# KiCad board board.kicad_pcb (continued)
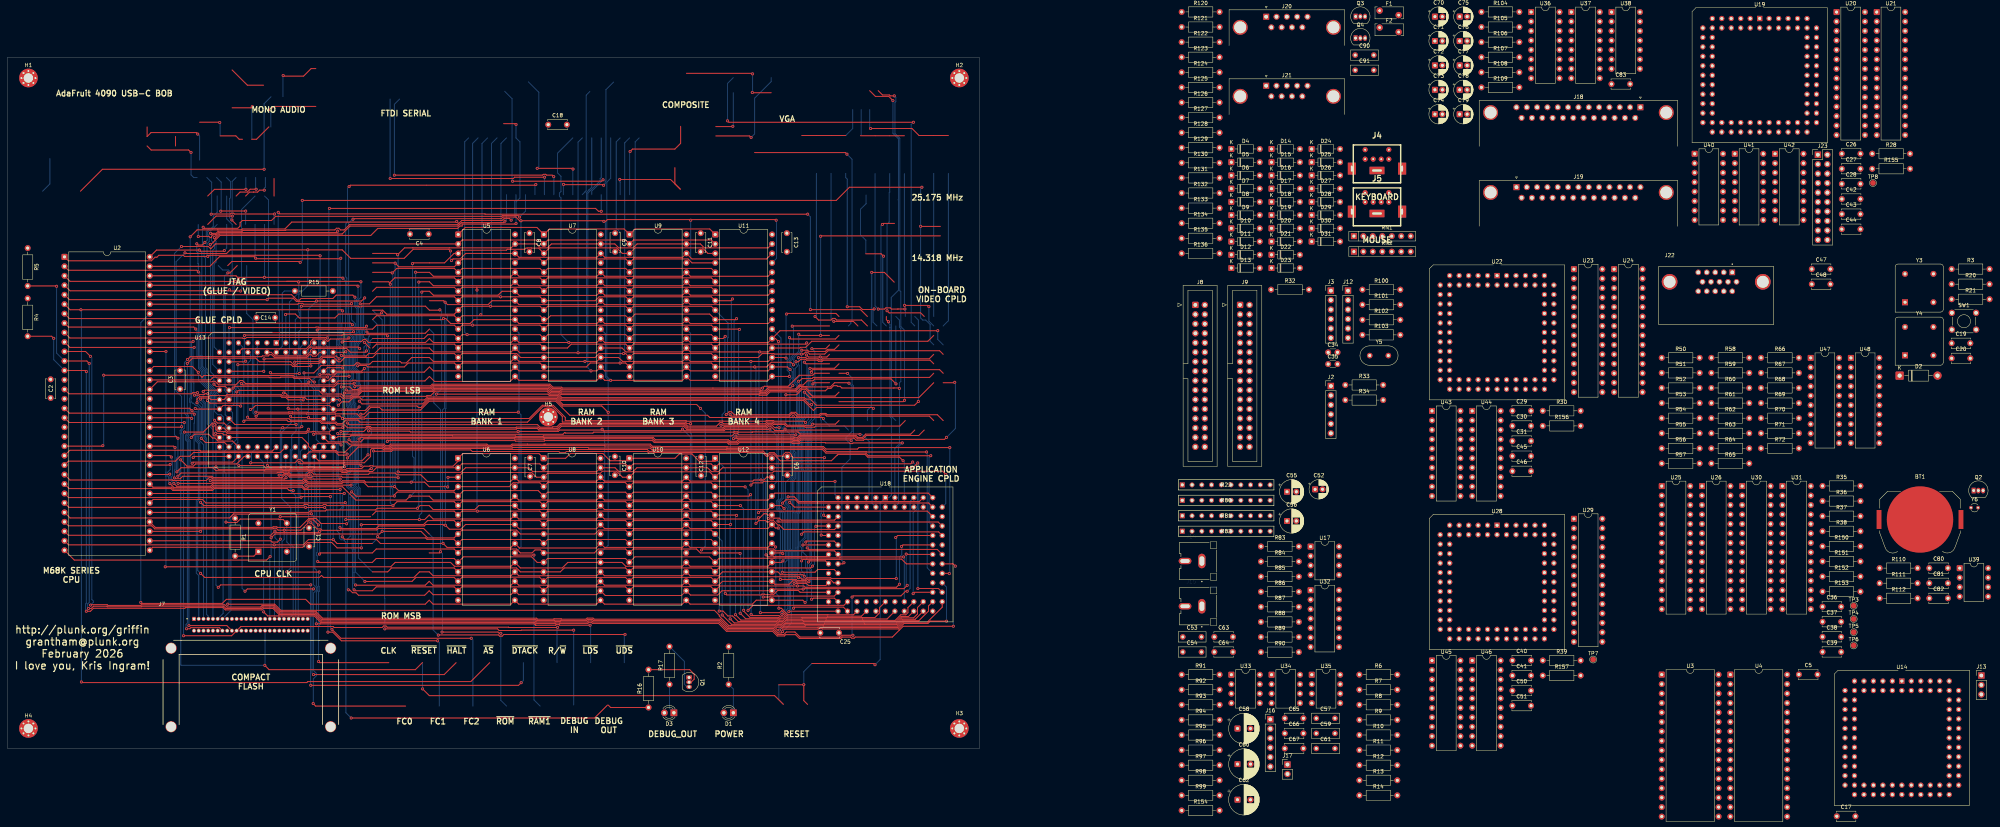
[diagram p0: board, top side]
## Routing (per net, layer and track width the routed paths; a pad name or vN(x,y) marks a point on that pad's centre or on a via; arc(x,y) is an arc through that point) (continued)
~{BERR}: length 58
  Top w0.25: 72.1,80.97 70.98,79.84 51.82,79.84 51.59,80.07 16.72,80.07 U2.22
~{BGACK}: length 367.2
  Top w0.25: v1(207.84,31.39) 207.49,31.04 206.67,31.04 205.48,32.22 193.13,32.22 190.99,34.36 157.14,34.36 156.86,34.64 155.59,34.64 155.31,34.36 148.42,34.36 148.31,34.47 146.74,34.47 146.63,34.36 141.98,34.36 141.72,34.62 84.33,34.62 82.6,36.36 72.99,36.36 71.34,38.01 68.44,38.01 68.04,37.61 58.57,37.61 57.97,38.22 36.07,38.22 35.92,38.07 26.78,38.07 26.62,38.22 23.07,38.22 22.47,37.61 v1(21.74,37.61) ; R5.2 13.08,124.18 v1(13.17,124.09) ; v1(209.32,67.57) 211,67.57 212.25,66.32 244.53,66.32 245.56,67.36 ; v1(21.92,103.39) 21.28,104.04 U2.12
  Bottom w0.25: v1(21.92,103.39) 21.92,39.26 21.5,38.84 21.5,37.85 v1(21.74,37.61) ; v1(13.17,124.09) 13.17,106.16 U2.12 ; v1(209.32,67.57) 208.97,67.22 208.97,65.9 209.92,64.95 209.92,53.65 210.17,53.4 210.17,45.22 209.77,44.82 209.77,43.86 210,43.63 210,37.36 210.18,37.19 210.18,33.72 v1(207.84,31.39)
~{BG}: length 341.1
  Top w0.25: 248.11,64.82 247.01,65.92 212.13,65.92 211.25,66.79 208.73,66.79 v1(207.82,65.88) ; v1(22.28,38.52) 22.4,38.64 26.74,38.64 26.93,38.44 35.76,38.44 35.91,38.6 58.28,38.6 58.88,37.99 67.88,37.99 68.28,38.39 71.49,38.39 73.15,36.74 82.75,36.74 84.49,35 141.87,35 142.13,34.74 146.47,34.74 146.58,34.85 148.47,34.85 148.58,34.74 155.16,34.74 155.44,35.02 157.01,35.02 157.29,34.74 191.14,34.74 193.28,32.6 205.7,32.6 206.49,31.81 v1(206.99,31.81) ; U2.11 20.95,106.58 v1(22.24,105.28)
  Bottom w0.25: v1(206.99,31.81) 209.23,34.06 209.23,35.94 208.74,36.43 208.74,37.07 209.23,37.57 209.23,43.33 209.02,43.55 209.02,45.13 209.42,45.53 209.42,53.08 209.17,53.33 209.17,64.51 207.82,65.86 v1(207.82,65.88) ; v1(22.28,38.52) 23.05,39.29 23.05,39.59 22.62,40.02 22.62,104.9 v1(22.24,105.28)
~{BR}: length 349.8
  Top w0.25: v1(241.26,42.24) 240.82,42.24 239.58,41 226.81,41 v1(226.48,40.67) ; v1(21.15,101.19) 20.84,101.5 U2.13 ; v1(21.15,36.87) 22.26,36.87 23.05,37.67 47.55,37.67 47.73,37.84 57.81,37.84 58.42,37.24 68.2,37.24 68.59,37.63 71.18,37.63 72.83,35.98 82.44,35.98 84.18,34.24 141.56,34.24 141.82,33.99 146.78,33.99 146.89,34.09 148.16,34.09 148.27,33.99 155.47,33.99 155.75,34.27 156.7,34.27 156.98,33.99 190.83,33.99 192.97,31.85 205.32,31.85 206.56,30.61 208.17,30.61 208.85,31.29 211.15,31.29 212.5,29.94 223.32,29.94 223.79,30.42 v1(226.7,30.42) ; R4.2 11.84,110.68 v1(12.4,110.12)
  Bottom w0.25: v1(226.48,40.67) 226.48,30.64 v1(226.7,30.42) ; v1(12.4,110.12) 12.4,104.39 U2.13 ; v1(21.15,36.87) 20.96,37.06 20.96,38.83 21.15,39.02 v1(21.15,101.19) ; v1(241.26,42.24) 242.04,43.02 242.04,66.37 243.02,67.36
~{CF_CS0}: length 275
  Top w0.25: 133.03,167.74 136.15,167.74 v1(136.38,167.52) ; v1(48.03,32.17) 48.9,32.17 49.2,32.47 56.82,32.47 J7.32 ; 84.8,106.37 83.73,106.37 82.69,105.33 81.83,105.33 81.43,105.73 80.98,105.73 80.28,105.02 71.55,105.02 70.84,105.73 70.29,105.73 69.96,105.4 68.36,105.4 68.15,105.19 49.02,105.19 v1(48.27,104.44) ; v1(136.38,140.94) 136.22,140.79 121.93,140.79 121.93,140.27 121.32,140.27 120.67,139.62 99.3,139.62 97.43,137.74 57,137.74 54.59,135.32 v1(54.37,135.32)
  Bottom w0.25: v1(136.38,140.94) 136.38,146.74 137.41,147.77 137.41,162.86 136.35,163.92 136.35,167.5 v1(136.38,167.52) ; v1(54.37,135.32) 54.48,135.21 54.48,101.12 56.86,98.75 ; v1(48.03,32.17) 47.88,32.32 47.88,33.34 48.25,33.71 48.25,82.35 47.75,82.85 47.75,84.12 48.15,84.52 48.15,89.28 47.45,89.97 47.45,103.62 v1(48.27,104.44)
~{CF_CS1}: length 96.8
  Top w0.25: v1(81.35,102.72) 81.2,102.56 76.55,102.56 76.07,103.04 v1(61.78,103.04)
  Bottom w0.25: 82.26,108.91 81.22,107.87 81.22,102.84 v1(81.35,102.72) ; v1(61.78,103.04) 61.78,96.87 62.25,96.39 62.25,95.22 61.78,94.74 61.78,82.16 60.98,81.36 60.98,63.35 59.91,62.29 59.91,37.09 J7.07
~{DTACK}: length 660.6
  Top w0.25: v1(55.9,75.62) 56.55,74.97 69.1,74.97 69.17,74.89 73.64,74.89 73.75,75 75.65,75 75.76,74.89 80.46,74.89 80.55,74.98 81.82,74.98 81.91,74.89 89.47,74.89 89.87,74.49 90.83,74.49 91.05,74.72 96.83,74.72 97.25,75.14 v1(97.57,75.14) ; v1(240.15,77.27) 239.18,78.24 230.67,78.24 229.97,78.94 222.68,78.94 222.51,78.76 222.45,78.76 220.95,77.27 207.22,77.27 205.44,79.05 204.5,79.05 203.84,78.39 203.58,78.39 202.51,79.46 173.31,79.46 173.21,79.36 171.94,79.36 171.56,79.74 149.87,79.74 149.64,79.51 148.09,79.51 147.86,79.74 124.65,79.74 124.22,80.17 103.32,80.17 102.95,79.8 98.24,79.8 v1(98.15,79.89) ; v1(53.73,95.24) 52.98,95.24 52.75,95.02 51.5,95.02 51.35,94.87 v1(50.15,94.87) ; v1(239.95,82.04) 226.73,82.04 226.55,81.86 225.9,81.86 225.72,82.04 219.38,82.04 219.27,82.14 212.54,82.14 212.33,81.93 210.44,81.93 210.24,82.14 196.24,82.14 195.83,81.73 193.39,81.73 192.98,82.14 173.45,82.14 172.93,82.67 144.06,82.67 143.92,82.53 136.23,82.53 136.09,82.67 102.06,82.67 v1(101.85,82.46) ; v1(81.32,16.99) 137.05,16.99 v1(137.75,17.69) ; 59.4,103.83 63.71,103.83 v1(63.88,103.99) ; 56.86,83.5 56.43,83.94 55.41,83.94 55.15,84.2 v1(55.15,86.65) ; v1(50.04,107.69) 16.72,107.69 U2.10 ; v1(101.93,110.79) 101.61,111.11 89.92,111.11 89.68,110.87 89.55,110.99 63.68,110.99 v1(63.53,110.84) ; v1(81.32,43.94) 57.18,43.94 v1(56.53,43.29)
  Bottom w0.25: v1(50.15,94.87) 49.97,95.04 49.97,98.15 49.75,98.37 49.75,107.4 v1(50.04,107.69) ; 240.49,67.36 240.49,76.93 v1(240.15,77.27) ; v1(81.32,16.99) 81.29,17.03 81.29,43.9 v1(81.32,43.94) ; v1(101.93,110.79) 101.93,82.53 v1(101.85,82.46) ; 56.86,83.5 55.9,82.54 v1(55.9,75.62) 55.9,43.92 v1(56.53,43.29) ; v1(98.15,79.89) 98.15,75.72 v1(97.57,75.14) ; 138.34,23.06 138.34,18.28 v1(137.75,17.69) ; v1(63.88,103.99) 63.52,104.35 63.52,110.83 v1(63.53,110.84) ; v1(55.15,86.65) 54.78,86.65 54.21,87.22 54.21,92.71 54.39,92.89 54.39,94.59 v1(53.73,95.24) ; v1(239.95,82.04) 238.91,81 238.91,65.78 237.94,64.82
~{DUART_SELECT}: length 141.9
  Top w0.25: v1(137.32,142.67) 136.93,143.06 132.74,143.06 132.54,142.87 71.92,142.87 70.81,141.75 62.99,141.75 62.37,141.13 62.37,140.26 61.76,139.64 52.75,139.64 v1(52.47,139.93) ; v1(55.37,97.82) 56.02,97.17 58.44,97.17 U13.21
  Bottom w0.25: v1(55.37,97.82) 55.37,99.03 53.51,100.89 53.51,101.86 53.1,102.27 53.1,131.64 52.72,132.03 52.72,135 52.28,135.44 52.28,139.73 v1(52.47,139.93) ; v1(137.32,142.67) 138.9,144.24 138.9,148.68
~{ENGINE_IRQ}: length 236.3
  Top w0.25: v1(89.2,72.34) 79.55,72.34 79.5,72.39 79.1,71.99 54.43,71.99 v1(54.38,71.94) ; v1(228.62,84.31) 228.49,84.44 212.57,84.44 212.02,84.99 199.82,84.99 199.7,84.87 199.62,84.94 195.89,84.94 195.79,85.03 194.84,85.03 194.75,84.94 157.23,84.94 156.98,84.69 149.62,84.69 149.45,84.87 148.95,84.37 88.75,84.37 v1(88.55,84.56) ; v1(52.48,95.84) 52.85,96.21 56.86,96.21
  Bottom w0.25: 230.32,67.36 231.04,68.07 231.04,82.45 229.18,84.31 v1(228.62,84.31) ; v1(89.2,72.34) 88.68,72.86 88.68,84.43 v1(88.55,84.56) ; v1(52.48,95.84) 52.48,93.43 53.12,92.79 53.12,83.69 53.07,83.64 53.4,83.31 53.4,72.92 v1(54.38,71.94)
~{HALT}: length 382.6
  Top w0.25: 120.29,23.06 117.09,19.87 v1(82.06,19.87) ; v1(49.28,83.49) 50.19,84.4 53.94,84.4 54.97,83.36 55.64,83.36 56.46,82.54 60.36,82.54 61.94,80.97 ; v1(50.09,89.74) 49.79,90.04 16.59,90.04 U2.17 ; v1(63.7,42.24) 64.32,42.87 v1(82.06,42.87) ; v1(69.7,75.99) 70.05,75.64 73.33,75.64 73.44,75.75 75.96,75.75 76.07,75.64 80.15,75.64 80.24,75.73 82.13,75.73 82.22,75.64 v1(90.35,75.64) ; v1(91.15,78.02) 94.07,80.94 100.67,80.94 101.06,80.55 102.64,80.55 103.03,80.94 128.27,80.94 128.55,80.66 135.32,80.66 135.48,80.81 155.68,80.81 155.82,80.67 172.35,80.67 172.9,80.12 173,80.22 187.18,80.22 187.27,80.31 192.67,80.31 192.77,80.22 196.45,80.22 196.54,80.31 218.48,80.31 219.48,79.31 230.13,79.31 230.83,78.62 v1(247.57,78.62)
  Bottom w0.25: v1(50.09,89.74) 50.14,89.69 50.14,87.45 50.04,87.35 50.04,84.59 49.28,83.83 v1(49.28,83.49) ; v1(91.15,78.02) 91.15,75.84 90.55,75.84 v1(90.35,75.64) ; v1(63.7,42.24) 62.9,43.04 62.9,80 61.94,80.97 ; 248.11,59.74 247.12,60.72 247.12,78.17 v1(247.57,78.62) ; v1(82.06,19.87) 81.66,20.26 81.66,42.47 v1(82.06,42.87) ; v1(69.7,75.99) 69.7,78.28
~{IPL0}: length 74.7
  Top w0.25: v1(76.61,69.25) 75.56,69.25 75.03,69.79 55.45,69.79 54.95,69.28 44.37,69.28 43.86,69.79 16.52,69.79 U2.25
  Bottom w0.25: 77.18,80.97 76.22,80 76.22,69.65 v1(76.61,69.25)
~{IPL1}: length 66.4
  Top w0.25: U2.24 16.76,72.09 44.21,72.09 44.34,71.96 53.3,71.96 54.05,72.72 54.7,72.72 55.04,72.37 74.35,72.37 v1(74.7,72.72)
  Bottom w0.25: v1(74.7,72.72) 74.64,72.78 74.64,78.43
~{IPL2}: length 61.4
  Top w0.25: U2.23 16.34,77.15 45.03,77.15 46.34,78.46 48.88,78.46 49.88,79.46 73.14,79.46 74.64,80.97
~{LDS}: length 671.8
  Top w0.25: v1(82.82,33.49) 83.86,33.49 141.25,33.49 141.51,33.23 141.51,33.23 141.68,33.06 141.72,33.12 146.98,33.12 147.09,33.23 147.1,33.23 147.2,33.34 147.85,33.34 147.95,33.23 147.96,33.23 148.07,33.12 v1(156.23,33.12) ; v1(215.61,92.35) 215.04,92.35 213.58,93.82 148.56,93.82 147.62,94.75 145.31,94.75 144.91,95.15 v1(115,95.15) ; v1(115.95,117.77) 115.86,117.68 113.14,117.68 112.07,118.74 95.04,118.74 94.89,118.59 94.25,118.59 94.1,118.74 v1(78.8,118.74) ; v1(215.6,100.99) 215.43,100.99 215.28,101.14 215.28,101.28 215.51,101.28 215.94,101.71 249.94,101.71 250.9,100.75 ; v1(78.92,86.42) 78.6,86.09 73.85,86.09 v1(73.82,86.12) 73.74,86.05 59.4,86.05 58.07,87.38 56.28,87.38 v1(55.52,88.13) ; v1(72.85,73.42) 73.77,73.42 74.22,73.87 75.18,73.87 75.79,73.26 81,73.26 v1(81.18,73.45) ; v1(214.45,53.86) 214.85,53.46 249.3,53.46 250.64,52.12 ; U2.8 16.34,113.15 49.96,113.15 v1(50.5,112.62) ; v1(133.4,141.56) 133,141.17 121.77,141.17 121.24,140.64 121.17,140.64 120.77,140.24 91.85,140.24 89.73,138.12 56.85,138.12 55.55,136.82 55.55,137.08 v1(55.49,137.15)
  Bottom w0.25: v1(115.95,117.77) 116.43,117.29 116.43,116.3 116.14,116.01 116.14,115.09 116.43,114.81 116.43,96.57 v1(115,95.15) ; v1(215.6,100.99) 215.2,100.99 215.2,92.76 v1(215.61,92.35) 215.6,92.35 215.6,88.42 214.74,87.56 214.74,87.07 214.67,87 214.67,85.87 214.91,85.63 214.91,82.8 214.85,82.73 214.85,54.26 v1(214.45,53.86) ; 156.38,23.06 156.38,32.96 v1(156.23,33.12) ; v1(133.4,141.56) 133.81,141.98 133.81,148.68 ; v1(78.92,86.42) 78.78,86.56 78.78,93.02 78.51,93.28 78.51,93.92 78.78,94.18 78.78,98.56 77.49,99.85 77.49,100.99 77.8,101.3 77.8,105.62 78.14,105.97 78.14,111.95 78.62,112.43 78.62,118.56 v1(78.8,118.74) ; v1(81.18,73.45) 82.43,72.21 82.43,48.34 82.82,47.94 82.82,43.73 83.21,43.34 83.21,42.39 82.82,42 v1(82.82,33.49) ; v1(50.5,112.62) 50.82,112.3 50.82,105.2 50.99,105.02 51.23,104.78 51.23,102.01 52,101.24 52,98.6 54.76,95.84 54.76,95.27 55.14,94.9 55.14,88.51 v1(55.52,88.13) ; 56.86,106.37 55.43,107.8 55.43,130.1 55.93,130.6 55.93,136.18 55.55,136.56 55.55,137.08 v1(55.49,137.15) ; v1(73.82,86.12) 73.15,85.45 73.15,73.71 v1(72.85,73.42)
~{PORTS_SELECT}: length 128.8
  Top w0.25: v1(135.07,141.83) 134.59,142.31 133.2,142.31 132.62,141.74 121.81,141.74 121.09,141.02 121.01,141.02 120.61,140.62 91.69,140.62 90.29,139.21 89.33,139.21 88.87,139.67 88.23,139.67 87.78,139.21 74.66,139.21 74.54,139.09 63.13,139.09 62.91,138.87 56.54,138.87 55.96,138.3 55.01,138.3 54.79,138.08 54.69,138.08 v1(54.46,138.31)
  Bottom w0.25: 136.35,148.68 136.35,147.25 136,146.89 136,142.76 v1(135.07,141.83) ; v1(54.46,138.31) 54.46,138.2 54.71,137.95 54.71,136.36 55.38,135.69 55.38,135.02 55.52,134.87 55.52,134.23 55.05,133.75 55.05,103.09 56.86,101.28
~{RAM_SELECT_1}: length 200.3
  Top w0.25: v1(66.68,89.22) 67.3,89.84 75.45,89.84 75.6,89.99 76.25,89.99 76.4,89.84 80.19,89.84 80.25,89.78 87.9,89.78 87.95,89.84 93.72,89.84 94.58,88.98 95.77,88.98 97.02,90.24 115.13,90.24 115.16,90.21 116.47,90.21 116.5,90.24 136.9,90.24 v1(136.97,90.31) ; v1(141.18,51.94) 136.64,51.94 U6.22
  Bottom w0.25: v1(66.68,89.22) 65.82,90.06 65.82,90.61 66.06,90.84 66.06,106.76 67.02,107.73 67.02,108.91 ; v1(141.18,51.94) 141.18,13.09 142.85,11.42 ; U6.22 137.7,54.17 137.7,89.59 v1(136.97,90.31) 137.17,90.51 137.17,111.54 U5.22
~{RAM_SELECT_2}: length 175.8
  Top w0.25: v1(66.6,90.29) 75.37,90.29 75.45,90.37 76.4,90.37 76.48,90.29 80.37,90.29 80.5,90.16 87.74,90.16 88.33,90.75 95.9,90.75 97.11,91.96 109.81,91.96 110.24,91.54 110.86,91.54 112.94,93.62 147.16,93.62 148.81,91.96 159.35,91.96 v1(161.07,90.24)
  Bottom w0.25: v1(66.6,90.29) 67.02,90.71 67.02,106.37 ; U8.22 161.07,54.58 v1(161.07,90.24) 161.07,98.98 160.32,99.73 160.32,111.36 U7.22
~{RAM_SELECT_3}: length 203.9
  Top w0.25: v1(183.18,87.22) 182.23,87.22 181.8,87.65 148.78,87.65 148.78,89.15 146.16,91.77 143.58,91.77 139.43,87.62 94.53,87.62 93.96,88.19 90.8,88.19 89.85,87.24 88.48,87.24 88.1,87.62 84.4,87.62 83.88,88.14 75.91,88.14 75.51,88.54 64.79,88.54 v1(64.39,88.94)
  Bottom w0.25: v1(64.39,88.94) 64.48,89.03 64.48,103.5 65.19,104.21 65.19,105.65 64.48,106.37 ; U9.22 183.18,111.48 v1(183.18,87.22) 183.18,84.71 183.35,84.54 183.35,83.97 183.5,83.82 183.5,54.03 U10.22
~{RAM_SELECT_4}: length 233.9
  Top w0.25: v1(206.9,86.14) 205.69,86.14 204.92,86.92 203.96,86.92 203.47,86.43 192.19,86.43 191.83,86.07 182.31,86.07 181.48,86.9 148.38,86.9 147.38,85.89 142.65,85.89 142.25,86.29 136.45,86.29 136.28,86.12 97.6,86.12 97.28,86.44 96.32,86.44 95.99,86.11 91.18,86.11 90.43,86.86 88.32,86.86 87.94,87.24 84.24,87.24 83.72,87.77 75.3,87.77 74.9,88.17 63.7,88.17 v1(63.38,87.84) ; U12.22 207.68,52.53 v1(207.89,52.32)
  Bottom w0.25: 205.03,112.59 207.42,110.21 207.42,86.19 207.13,85.9 ; v1(63.38,87.84) 63.38,103.39 63.1,103.67 63.1,107.75 61.94,108.91 ; v1(206.9,86.14) 206.9,85.59 207.59,84.9 207.59,67.28 206.67,66.36 206.67,64.41 207.85,63.23 207.85,52.36 v1(207.89,52.32)
~{RESET}: length 437.1
  Top w0.25: 64.48,78.43 63.47,78.43 61.46,76.41 50.43,76.41 49.85,75.82 48.14,75.82 v1(46.47,77.49) ; v1(69,22.34) 70.15,21.19 109.37,21.19 111.27,23.09 ; U2.18 16.58,87.52 v1(47.4,87.52) ; v1(232.62,22.51) 232.29,22.85 215.7,22.85 ; 208.05,11.87 205.69,14.22 113.12,14.22 v1(111.31,16.03) ; 214.55,11.87 213.52,12.88 v1(213.52,17.17) 213.5,17.13 206.82,17.13 ; v1(236.23,114.57) 235.67,115.13 235.67,115.99
  Bottom w0.25: v1(232.62,22.51) 234,23.89 234,65.96 U18.1 236.37,67.36 237.01,68 237.01,88.71 236.62,89.09 236.62,113.04 236.63,113.05 236.63,113.84 236.23,114.25 v1(236.23,114.57) ; v1(111.31,16.03) 111.27,16.06 111.27,23.09 ; 208.01,11.97 206.82,13.16 206.82,17.13 ; v1(213.52,17.17) 213.52,20.67 215.7,22.85 ; v1(47.4,87.52) 47.4,85.98 46.7,85.28 46.7,84.64 46.85,84.49 46.85,77.88 v1(46.47,77.49) 46.47,22.47 46.57,22.37 68.97,22.37 v1(69,22.34) 69.07,22.41 J7.41
~{ROM_SELECT}: length 122.1
  Top w0.25: v1(116.12,52.84) 115.81,52.53 113.08,52.53 ; v1(132.29,30.94) 131.87,30.94 131.52,31.28 v1(116.53,31.28)
  Bottom w0.25: 113.14,112.59 114.31,111.43 114.31,92.81 116.12,90.99 v1(116.12,52.84) 116.65,52.31 116.65,31.41 v1(116.53,31.28) ; v1(132.29,30.94) 132.29,12.95 133.82,11.42
~{R}/W: length 121.3
  Top w0.25: v1(48.65,33.02) 58.81,33.02 J7.34 ; 84.8,103.83 83.97,103.83 83.54,103.39 77.8,103.39 77.35,102.94 76.85,102.94 75.95,103.84 67.54,103.84 66.59,104.79 49.62,104.79 v1(48.22,103.4)
  Bottom w0.25: v1(48.65,33.02) 48.65,82.49 48.13,83.01 48.13,83.96 48.53,84.36 48.53,89.43 48.22,89.73 v1(48.22,103.4)
~{SUPERVISOR_RESET}: length 207.9
  Top w0.25: v1(74.05,95.44) 74.53,95.44 75.34,94.63 89.28,94.63 89.81,94.09 92.04,94.09 92.49,94.54 112.27,94.54 112.47,94.75 113.5,94.75 114.68,95.92 144.67,95.92 145.47,95.12 147.78,95.12 148.71,94.19 213.74,94.19 214.12,93.81 215.25,93.81 216.9,92.16 243.25,92.16 v1(244.25,93.17)
  Bottom w0.25: 243.29,115.99 244.25,115.02 v1(244.25,93.17) ; v1(74.05,95.44) 74.64,96.03 U13.84
~{UDS}: length 471.8
  Top w0.25: v1(80.72,85.72) 80.03,85.02 59.07,85.02 58.04,86.05 56.86,86.05 ; v1(203.4,52) 203.93,51.47 205.41,51.47 205.47,51.53 219.58,51.53 220.17,52.12 ; v1(80.02,70.66) 80.08,70.72 v1(92.12,70.72) ; 113.08,57.61 111.59,59.09 99.42,59.09 99.02,58.69 89.34,58.69 89.24,58.59 84.38,58.59 84,58.97 83,58.97 v1(81.34,60.62) ; v1(50.87,115.42) 16.61,115.42 U2.7 ; v1(115.53,30.47) 115.57,30.51 131.64,30.51 131.99,30.17 132.61,30.17 133.08,30.64 v1(165.6,30.64) ; 220.43,100.75 216.46,100.75 215.92,100.21 212.28,100.21 209.32,97.25 203.82,97.25 203.82,97.25 202.96,97.25 v1(202.48,96.77) 189.15,96.77 189.15,96.77 148.81,96.77 148.56,97.01 146.25,97.01 145.45,97.81 113.9,97.81 113.44,97.35 93.33,97.35 v1(93.14,97.16)
  Bottom w0.25: 165.4,23.06 165.4,30.44 v1(165.6,30.64) ; v1(203.4,52) 203.28,52.12 203.28,71.96 202.48,72.76 v1(202.48,96.77) ; v1(92.12,70.72) 92.97,71.56 92.97,81.68 92.37,82.29 92.37,83.87 92.97,84.47 92.97,88.31 92.28,89 92.28,92.09 92.02,92.35 92.02,94.41 93.14,95.53 v1(93.14,97.16) ; 56.86,86.05 57.9,87.08 57.9,89.01 57.29,89.62 56.4,89.62 55.52,90.5 55.52,95.05 55.14,95.43 55.14,95.99 52.38,98.76 52.38,101.4 51.61,102.17 51.61,104.94 51.37,105.18 51.37,105.18 51.19,105.36 51.19,115.09 v1(50.87,115.42) ; 113.08,57.61 114.13,56.55 114.13,31.86 v1(115.53,30.47) ; v1(80.72,85.72) 80.72,74.62 80.02,73.92 v1(80.02,70.66) 80.72,69.96 80.72,61.24 v1(81.34,60.62)
~{VPA}: length 99.6
  Top w0.25: U2.21 25.44,81.18 v1(25.58,81.31) ; v1(85.88,99.74) 77.03,99.74 76.62,100.14 52.65,100.14 52.18,99.67 51.62,100.22 v1(25.8,100.22)
  Bottom w0.25: 84.8,108.91 85.88,107.83 v1(85.88,99.74) ; v1(25.58,81.31) 25.8,81.54 v1(25.8,100.22)
~{VSYNC_IRQ}: length 82.7
  Top w0.25: v1(88.55,138.89) 88.15,138.49 56.69,138.49 56.06,137.86 55.91,137.86 55.89,137.84 55.81,137.92 55.17,137.92 54.71,137.47 54.71,137.14 54.38,137.14 54.04,137.48 51.2,137.48 v1(51.16,137.44)
  Bottom w0.25: U13.68 87.34,99.92 88.3,100.89 88.3,104.22 88.15,104.38 88.15,104.94 88.3,105.09 88.3,108.18 88.21,108.27 88.21,109.76 88.6,110.15 88.6,138.84 v1(88.55,138.89) ; 51.16,140.7 v1(51.16,137.44)
~{WRITE_HI}: length 425.3
  Top w0.25: v1(59.53,112.99) 82.6,112.99 82.73,113.12 83.37,113.12 83.5,112.99 95.9,112.99 v1(96.28,113.37) ; v1(96.8,85.29) 96.89,85.2 107.85,85.2 108.08,84.97 136.82,84.97 136.93,85.08 v1(136.93,85.14) 136.93,85.14 147.69,85.14 148.05,85.5 159.44,85.5 v1(159.44,85.72) 159.84,85.32 180.58,85.32 v1(181.01,85.74) 181.43,85.32 192.14,85.32 192.44,85.61 204.29,85.61 v1(204.44,85.77) ; v1(90.84,96.29) 91.13,96 94.14,96 94.74,96.6 113.76,96.6 114.21,97.05 145.14,97.05 145.94,96.26 148.25,96.26 148.57,95.94 201.67,95.94 201.85,95.76 201.85,95.76 202,95.61 203.25,95.61 204.14,96.5 211.28,96.5 212.36,97.58 212.59,97.58 212.59,97.58 213.34,97.58 214.47,98.71 215.96,98.71 216.44,99.19 231.64,99.19 231.67,99.22 236.93,99.22 v1(238.25,97.89) ; v1(90.73,106.52) 90.57,106.37 U13.74
  Bottom w0.25: U6.29 137.18,71.43 137.18,84.89 v1(136.93,85.14) ; v1(96.28,113.37) 96.28,112.66 95.69,112.08 95.69,111.3 95.47,111.09 95.47,110.44 95.93,109.99 96.47,109.99 96.47,108.64 95.59,107.77 95.59,105.66 96.42,104.83 96.42,85.67 v1(96.8,85.29) ; 59.4,108.91 59.4,112.87 v1(59.53,112.99) ; U12.29 206.33,71.66 206.33,83.88 v1(204.44,85.77) ; U8.29 160.15,71.43 160.15,85.01 v1(159.44,85.72) ; v1(90.73,106.52) 90.97,106.28 90.97,101.69 90.84,101.57 v1(90.84,96.29) ; v1(181.01,85.74) 181.05,85.74 183.12,83.67 183.12,71.43 U10.29 ; v1(238.25,97.89) 238.2,97.94 238.2,113.45
~{WRITE_LO}: length 227.3
  Top w0.25: v1(206.12,141.81) 205.95,141.99 183.38,141.99 v1(183.2,141.81) 183.02,141.99 160.85,141.99 160.38,141.52 v1(159.93,141.52) 159.76,141.68 v1(137.69,141.68) 137.31,141.68 136.3,142.69 132.89,142.69 132.45,142.24 92.8,142.24 v1(92.65,142.09) ; v1(91.55,110.23) 91.26,109.94 86.55,109.94 85.94,109.34 85.73,109.34 85.13,109.94 81.93,109.94 81.3,109.3 81.3,108.51 80.12,107.33 62.9,107.33 61.94,106.37
  Bottom w0.25: U7.29 160.32,131.62 160.32,141.12 v1(159.93,141.52) ; v1(206.12,141.81) 206.23,141.72 206.23,131.57 205.03,130.38 ; U5.29 137.69,131.95 v1(137.69,141.68) ; v1(183.2,141.81) 183.2,131.52 U9.29 ; v1(92.65,142.09) 92.5,142.09 91.47,141.06 91.47,116.73 91.7,116.5 91.7,112.93 91.29,112.52 91.29,110.5 v1(91.55,110.23)
Net-(D1-K): length 8.1
  Bottom w0.25: D1.1 194.64,15.99 R2.1
Net-(D3-K): length 8.1
  Bottom w0.25: D3.1 177.52,10.78 R17.1
Net-(Q1-B): length 15.2
  Top w0.25: 183.32,17.84 184.13,18.64 184.13,19.98 182.92,21.19 171.9,21.19
Net-(Q1-C): length 12.8
  Bottom w0.25: 182.23,16.56 181.51,17.28 181.51,23.4 R17.2
Net-(U13-INPUT/OE2/GCLK2): length 20.2
  Bottom w0.25: R15.1 74.25,122.81 73.68,122.24 73.68,107.94 U13.2
Net-(Y1-EN): length 6.8
  Top w0.25: R1.2 66.08,51.66 Y1.1

## Copper pours and planes (outline as drawn; the poured copper is in the pictures)
+5V on In2.Cu: 0,185.57 260.6,185.57 260.6,0 0,0
GND on In1.Cu: 0,185.57 260.6,185.57 260.6,0 0,0

## Text on the board
F.Silkscreen: CLK | FC0 | ~{RESET} | FC1 | ~{HALT} | FC2 | ~{AS} | ~{ROM} | ~{DTACK} | ~{RAM1} | R/~{W} | ~{LDS} | ~{UDS} | DEBUG_OUT | POWER | RESET | M68K SERIES / CPU | AdaFruit 4090 USB-C BOB | GLUE CPLD | JTAG / (GLUE / VIDEO) | COMPACT / FLASH | CPU CLK | MONO AUDIO | ROM MSB | ROM LSB | FTDI SERIAL | RAM / BANK 1 | RAM / BANK 2 | RAM / BANK 3 | COMPOSITE | RAM / BANK 4 | VGA | APPLICATION / ENGINE CPLD | 25.175 MHz | 14.318 MHz | ON-BOARD / VIDEO CPLD | DEBUG / OUT | DEBUG / IN | http://plunk.org/griffin / grantham@plunk.org / February 2026 / I love you, Kris Ingram!
